# KiCad board sample013-sdi-mipi-video-converter.kicad_pcb (continued)
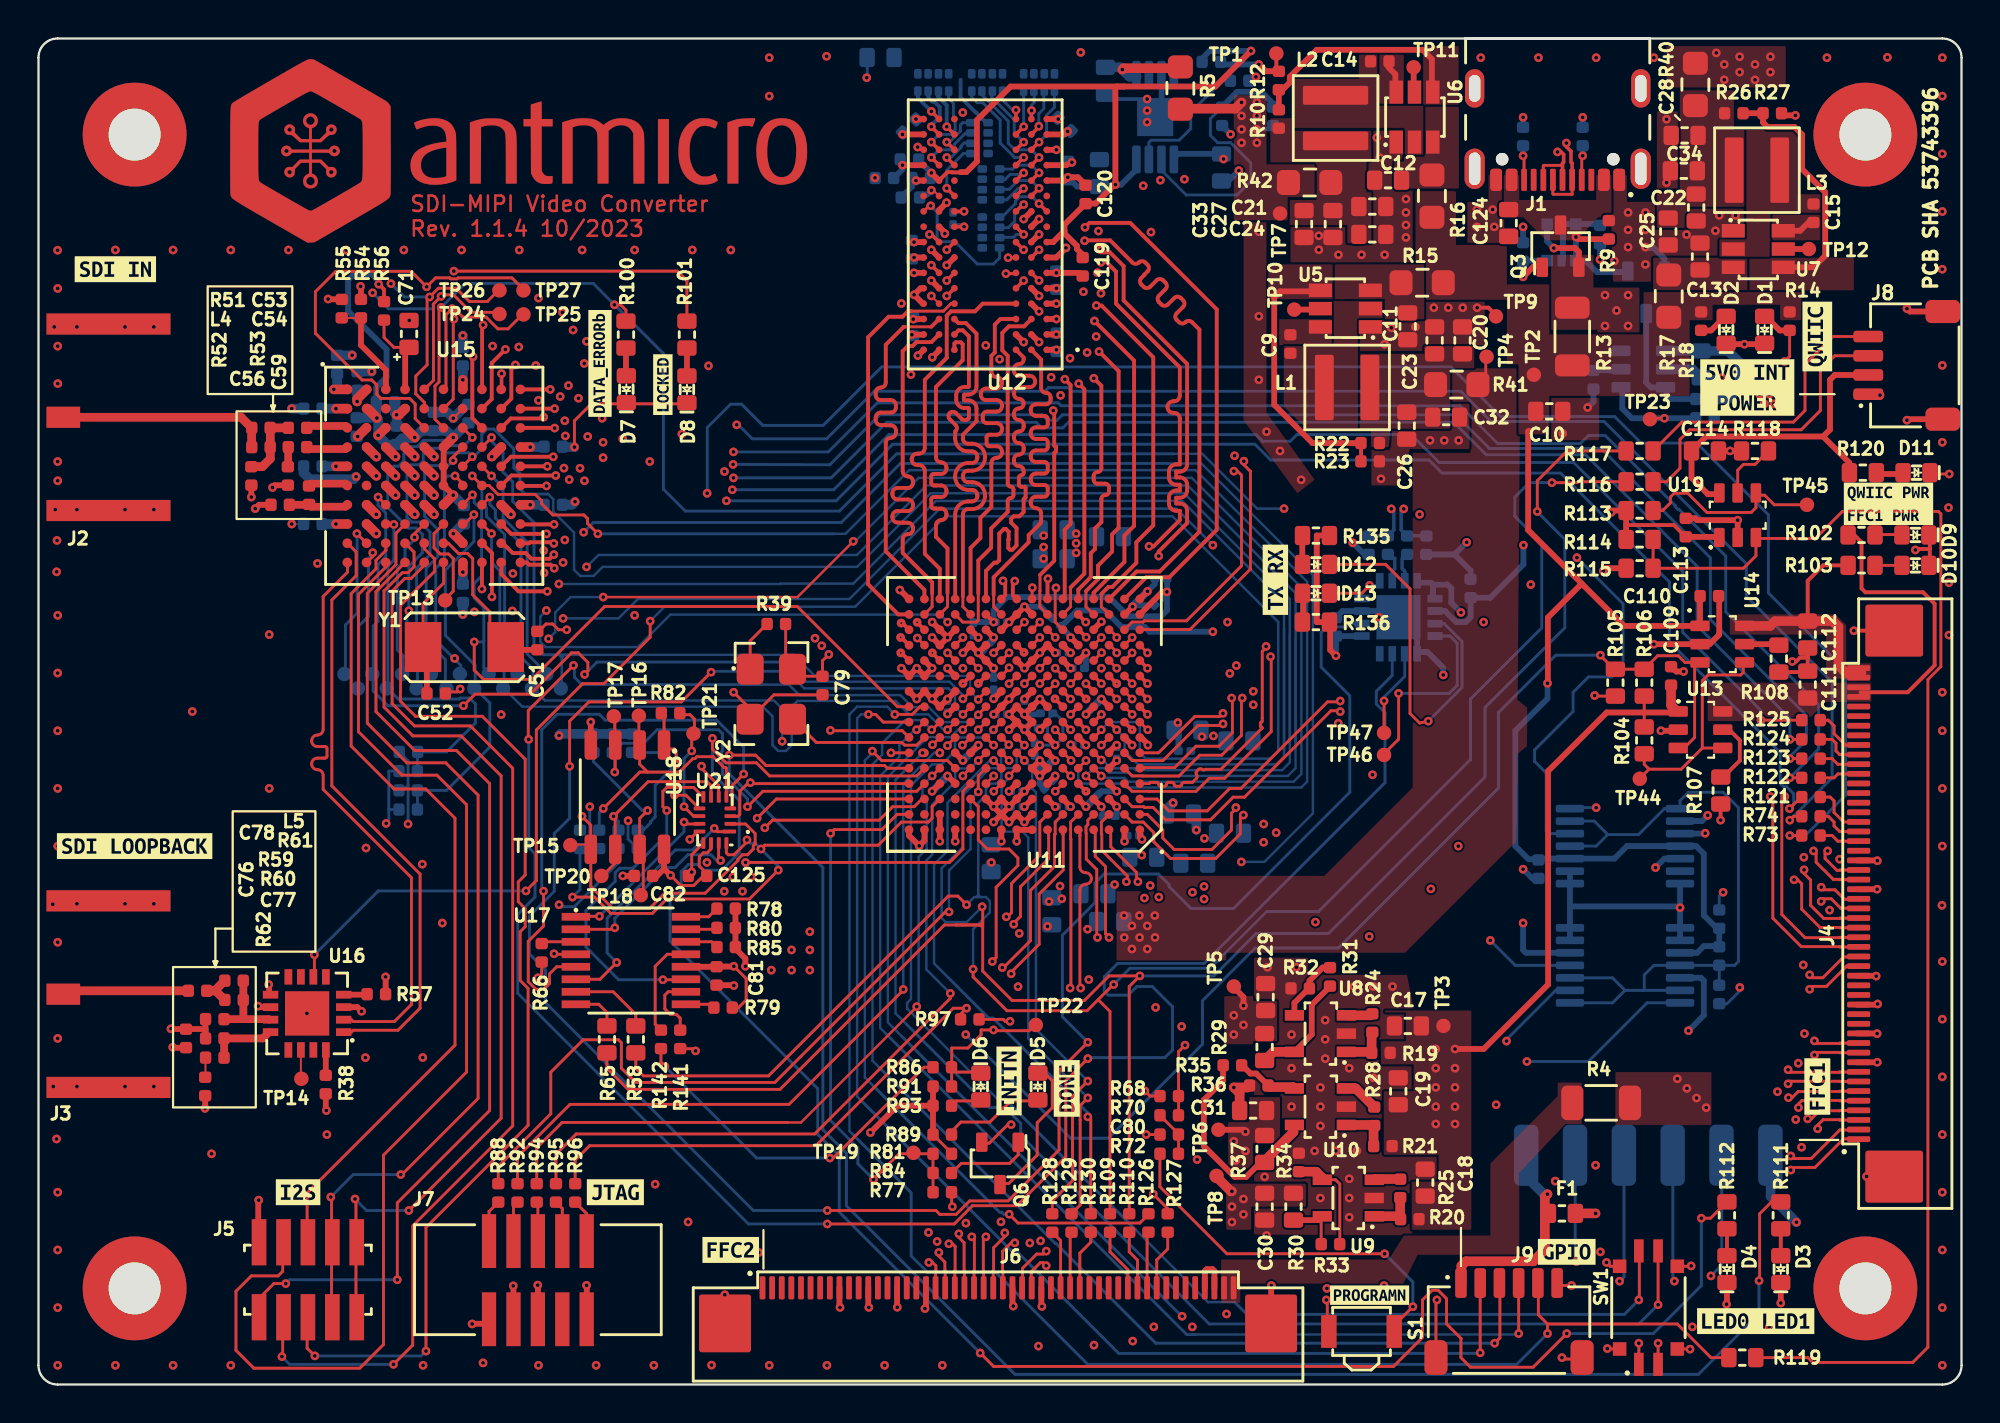
[diagram p0: board, top side]
## Routing (per net, layer and track width the routed paths; a pad name or vN(x,y) marks a point on that pad's centre or on a via; arc(x,y) is an arc through that point) (continued)
/SDI/SDI_STAT0: length 102.7
  Top w0.15: 20.07,51.75 20.54,52.22 20.54,56.19 v1(20.93,56.59) 21.02,56.67 21.58,56.67 22.49,55.76 24.08,55.76 ; U11.N2 v1(56.87,38.85)
  In2.Cu w0.125: 40.82,22.5 41.27,22.95 50.07,22.95 50.37,22.65 51.17,22.65 ; 55.37,26.05 56.07,26.75 57.03,26.75
  In2.Cu w0.13: v1(17.37,56.77) 17.07,56.47 17.07,53.15 16.77,52.85 16.77,52.45 16.97,52.25 16.97,36.75 28.58,25.14 31.88,25.14 34.88,22.15 40.47,22.15 40.82,22.5 ; v1(56.87,38.85) 60.52,38.85 60.96,38.41 60.96,35.73 61.18,35.51 61.18,34.21 61.82,33.57 61.82,27.74 60.83,26.75 57.03,26.75 ; 51.17,22.65 51.97,22.65 55.37,26.05
  Bottom w0.15: v1(20.93,56.59) 20.52,56.17 20.52,55.94 18.21,55.94 v1(17.37,56.77)
/SDI/SDI_STAT1: length 85.7
  Top w0.15: U11.M3 v1(56.07,37.25) ; 21.19,51.87 21.19,55.63 v1(21.51,55.95) 21.63,55.95 22.07,55.51 23.28,55.51 23.89,54.9 24.42,54.9 25.22,55.7
  In2.Cu w0.13: v1(56.07,37.25) 56.48,36.84 58.66,36.84 59.22,36.27 59.22,35.39 58.58,34.75 58.58,29.93 57.89,29.24 55.17,29.24 53.37,27.44 52.52,27.44 50.93,25.85 47.26,25.85 46.66,25.25 34.82,25.25 31.22,28.85 27.83,28.85 18.57,38.11 18.57,40.25 21.07,42.75 21.07,55.51 v1(21.51,55.95)
/SDI/SDI_STAT2: length 100.5
  Top w0.15: v1(56.87,38.05) U11.M2 ; 20.07,50.75 20.07,51.07 19.62,51.52 19.62,52.44 20.21,53.03 20.21,56.43 v1(20.34,56.56) 20.79,57.01 21.72,57.01 22.41,56.32 23.34,56.32 23.97,56.95
  In2.Cu w0.125: 50.97,23.05 50.57,23.05 50.07,23.55 40.87,23.55 40.37,23.05 ; 57.25,27.14 55.85,27.14 54.67,25.95
  In2.Cu w0.13: 40.37,23.05 34.57,23.05 31.55,26.07 28.35,26.07 17.37,37.05 17.37,42.05 18.07,42.75 18.07,56.99 v1(18.33,57.25) ; 54.67,25.95 52.95,24.23 52.33,24.23 51.15,23.05 50.97,23.05 ; v1(56.87,38.05) 57.33,38.51 60,38.51 60.47,38.04 60.47,34.35 60.1,33.98 60.1,33.53 61.05,32.58 61.05,28.14 60.04,27.14 57.25,27.14
  Bottom w0.15: v1(18.33,57.25) 19.02,56.56 v1(20.34,56.56)
/SDI/SDI_STAT3: length 107.6
  Top w0.15: v1(21.6,55.41) 21.57,55.38 21.57,51.25 21.07,50.75 ; v1(21.6,57.9) 33.22,57.9 33.72,57.4 R101.2 ; U11.N1 v1(57.67,38.05)
  In2.Cu w0.13: v1(21.6,55.41) 21.95,55.41 22.23,55.69 22.23,57.27 v1(21.6,57.9) 19.46,57.9 18.74,57.18 18.74,51.89 19.07,51.56 19.07,42.65 17.77,41.35 17.77,37.35 28.29,26.83 31.39,26.83 34.07,24.15 49.48,24.15 50.12,24.79 51.32,24.79 52.89,26.36 53.79,26.36 55.2,27.77 56.73,27.77 56.92,27.96 58.75,27.96 59.85,29.07 59.85,34.58 60.05,34.77 60.05,37.82 59.82,38.05 v1(57.67,38.05)
/SDI/SDI_STAT4: length 102.2
  Top w0.15: 25.22,56.95 24.62,57.55 21.82,57.55 21.77,57.5 21.43,57.5 21.38,57.55 20.65,57.55 v1(20.19,57.09) 19.38,57.89 15.46,57.89 14.4,56.83 14.4,54.67 16.83,52.24 17.33,52.24 17.59,51.98 17.59,51.5 17.81,51.28 19.3,51.28 19.59,50.99 19.59,50.23 20.07,49.75
  Top w0.182: v1(57.67,37.25) U11.M1
  In2.Cu w0.13: v1(57.67,37.25) 59.37,37.25 59.63,36.99 59.63,35.36 58.85,34.59 58.85,34.26 59.24,33.87 59.24,32.63 59.53,32.34 59.53,29.76 58.63,28.86 55.62,28.86 53.72,26.96 52.95,26.96 51.33,25.34 47.56,25.34 46.96,24.75 34.07,24.75 31.42,27.4 28.51,27.4 18.17,37.74 18.17,40.85 20.07,42.75 20.07,56.31 19.98,56.41 19.98,56.88 v1(20.19,57.09)
/SDI/SDI_STAT5: length 81.9
  Top w0.15: R100.2 30.55,55.87 30.27,56.15 v1(29.95,56.15) ; v1(20.94,56.01) 20.83,55.9 20.83,52.14 20.62,51.93 20.62,50.2 21.07,49.75 ; v1(55.27,33.25) U11.G3
  In2.Cu w0.125: v1(64.77,45.55) 64.77,45.25 58.77,39.25 56.67,39.25 56.47,39.05 56.47,37.85 56.27,37.65 55.87,37.65 55.67,37.45 U11.G3 v1(55.27,33.25)
  Bottom w0.125: v1(64.77,45.55) 63.37,45.55 60.52,48.4 59.02,48.4
  Bottom w0.15: 59.02,48.4 44.62,48.4 41.64,45.42 33.64,45.42 32.5,46.56 32.5,53.61 28.85,57.26 22.19,57.26 v1(20.94,56.01)
/SDI/SDIN_TDI: length 71.4
  Top w0.15: 23.07,47.74 v1(23.56,47.25)
  Top w0.182: U11.H6 v1(53.67,34.05)
  In4.Cu w0.15: v1(53.67,34.05) 53.87,34.05 54.27,34.45 54.67,34.45 54.87,34.65 54.87,35.05 55.07,35.25 55.47,35.25 55.67,35.05 55.67,31.45 55.47,31.25 42.39,31.25 37.48,36.16 37.48,49.44 36.59,50.33 33.7,50.33 33.01,49.64 33.01,46.85 31.66,45.51 26.8,45.51 25.05,47.25 v1(23.56,47.25)
  Bottom w0.15: 26.46,36.95 25.41,38 25.41,43.81 24.16,45.06 24.16,46.65 v1(23.56,47.25)
/SDI/SDO_EN/DIS: length 58.3
  Top w0.15: U11.G6 v1(52.87,34.05) ; U15.J2 v1(16.56,44.25)
  In2.Cu w0.125: v1(52.87,34.05) 53.27,34.45 53.87,34.45 54.07,34.65 54.07,36.85 48.47,36.85 48.43,36.89 47.83,36.89 47.67,37.05 47.67,39.45 47.47,39.65 47.27,39.65 v1(47.27,39.65)
  In4.Cu w0.13: v1(16.56,44.25) 16.56,43.14 17.62,42.08
  In4.Cu w0.15: 17.62,42.08 20.92,42.08 21.32,41.68 22.35,41.68 22.82,42.15 23.54,42.15 24.86,40.83 25.83,40.83 v1(26.41,40.25)
  Bottom w0.125: v1(26.41,40.25) 26.1,39.94 26.1,38.62 26.37,38.35 31.17,38.35 32.86,40.04 46.89,40.04 v1(47.27,39.65)
  Bottom w0.15: 15.96,36.95 15.96,39.5 16.57,40.11 16.57,44.24 v1(16.56,44.25)
/SDI/SDO_N: length 31.2
  Top w0.15: 16.07,42.75 16.07,42.25 14.8,40.98 14.8,34.08 arc(14.72,33.86) 14.51,33.78 arc(14.29,33.69) 14.21,33.48 14.21,33.48 arc(14.29,33.26) 14.51,33.18 14.8,33.18 14.8,33.18 14.9,33.18 arc(14.97,33.15) 15,33.08 15,32.67 arc(14.97,32.6) 14.9,32.58 14.51,32.58 arc(14.29,32.49) 14.21,32.28 14.21,32.27 arc(14.29,32.06) 14.51,31.98 arc(14.72,31.89) 14.8,31.68 14.8,30.95 19.39,26.36 19.39,19.76 18.51,18.88 16.37,18.88 16.27,18.98 15.94,18.98
/SDI/SDO_P: length 31.2
  Top w0.15: 16.07,43.75 16.52,43.3 16.52,42.06 15.25,40.8 15.25,31.13 19.84,26.54 19.84,19.58 18.69,18.43 16.37,18.43 16.27,18.33 15.94,18.33
/SDI/SDOUT_TDO: length 96.1
  Top w0.15: v1(55.27,32.48) 54.89,32.85 ; 22.07,47.76 v1(22.56,48.25)
  Bottom w0.125: 57.07,31.95 64.67,31.95 65.07,32.35 65.07,39.05 ; 26.5,46.31 26.77,46.04 26.77,45.39 27.85,44.31 27.85,42.37 28.17,42.05 28.87,42.05 29.34,42.52 42.56,42.52 46.39,46.35 59.57,46.35 65.07,40.85 65.07,40.35 ; 56.57,32.05 55.77,32.05
  Bottom w0.13: 57.07,31.95 56.97,32.05 56.67,32.05 ; v1(55.27,32.48) 55.34,32.48 55.77,32.05 56.67,32.05 ; 65.07,40.35 65.07,33.35 ; 56.67,32.05 56.57,32.05
  Bottom w0.15: 26.5,46.31 25.3,46.31 25.04,46.57 25.04,47.36 24.72,47.68 24.72,48.65 23.96,49.41 23.96,49.42 23.69,49.69 23.33,49.69 23.05,49.41 23.05,48.66 22.64,48.25 v1(22.56,48.25) 22.36,48.45 21.21,48.45 20.97,48.69 20.28,48.69 20.01,48.42 20.01,48.04 19.8,47.83 19.38,47.83 19.16,47.61 19.16,45.09 19.4,44.85 19.84,44.85 20.36,44.33 20.36,43.15 19.66,42.45 19.66,38.7 20.46,37.9 20.46,36.95
/SDI/STANDBY: length 73.3
  Top w0.15: v1(17.38,43.26) 17.38,43.06 17.07,42.75 ; 53.29,32.85 v1(53.69,32.45)
  In2.Cu w0.125: v1(53.69,32.45) 54.07,32.83 54.07,33.45 54.27,33.65 54.67,33.65 54.87,33.85 54.87,38.25 55.07,38.45 55.47,38.45 55.67,38.65 55.67,39.15 56.27,39.75 58.77,39.75 61.07,42.05 v1(61.07,43.65)
  In4.Cu w0.15: v1(17.38,43.26) 17.89,42.75 24.73,42.75 25.97,41.51 25.97,41.15 26.37,40.75 26.47,40.75 27.28,39.94 v1(27.28,39.84)
  Bottom w0.125: v1(61.07,43.65) 59.17,45.55 46.87,45.55 42.17,40.85 31.17,40.85 30.16,39.84 v1(27.28,39.84)
  Bottom w0.15: 16.66,36.2 16.66,39.45 17.16,39.95 17.16,42.95 17.38,43.17 v1(17.38,43.26)
/SDI/SW_EN: length 96.1
  Top w0.15: U11.D6 52.88,30.86 v1(52.88,30.85) ; 22.07,48.75 21.56,48.24 v1(21.56,48.05)
  In2.Cu w0.15: v1(21.56,48.05) 21.86,47.75 24.07,47.75 25.07,46.75 25.07,45.65 25.47,45.25 27.32,45.25 28.25,44.32 v1(28.35,44.32)
  In6.Cu w0.125: v1(52.88,30.85) 52.92,30.85 53.32,30.45 55.52,30.45 55.66,30.31 55.66,27.81 56.3,27.17 62.54,27.17 v1(62.55,27.18)
  Bottom w0.125: 58.72,47.9 60.47,47.9 66.27,42.1 66.27,29.7 63.75,27.18 v1(62.55,27.18)
  Bottom w0.15: 58.72,47.9 44.82,47.9 41.75,44.83 28.86,44.83 v1(28.35,44.32) ; v1(21.56,48.05) 21.3,47.79 20.33,47.79 20.08,47.54 20.08,45.15 20.76,44.47 20.76,43.05 20.16,42.45 20.16,38.7 21.16,37.7 21.16,36.2
/SDI/TIM_861: length 84
  Top w0.15: U15.H5 19.55,44.24 v1(19.55,44.06)
  Top w0.182: v1(56.07,34.05) U11.H3
  In4.Cu w0.15: v1(27.06,41.63) 26.64,41.63 26.63,41.65 26.27,41.65 25.21,42.71 25.21,43.16 24.95,43.42 20.19,43.42 v1(19.55,44.06)
  Bottom w0.125: 64.77,39.35 64.77,32.65 64.37,32.25 57.17,32.25 56.48,32.94 56.48,33.64 v1(56.07,34.05) ; 64.77,39.85 64.77,40.65 59.47,45.95 46.67,45.95 42.37,41.65 38.57,41.65 38.55,41.63 v1(27.06,41.63)
  Bottom w0.13: 64.77,39.85 64.77,32.95
  Bottom w0.15: v1(19.55,44.06) 19.55,43.94 19.06,43.45 19.06,42.85 18.66,42.45 18.66,38.2 18.96,37.9 18.96,36.95
/SDI/XTAL1: length 7.1
  Top w0.15: 21.07,42.75 21.07,41.68 20,40.61 Y1.1
  Top w0.3: 20.19,36.02 20.19,38.3
/SDI/XTAL2: length 7.2
  Top w0.15: 21.07,43.75 21.31,43.75 21.84,43.22 22.31,43.22 22.58,42.95 22.58,41.07 23.47,40.18 23.47,39.32
  Top w0.3: 25.95,38.21 24.58,38.21
/SDI/~{CS_TMS}: length 84
  Top w0.125: v1(29.37,40.95) 39.47,40.95 v1(42.37,43.85)
  Top w0.15: v1(55.26,31.65) 55.26,31.66 U11.E4 ; 22.06,46.85 v1(21.66,47.25)
  In2.Cu w0.15: v1(21.64,37.76) 25.5,37.76 v1(26.53,38.78)
  Bottom w0.125: v1(55.26,31.65) 55.36,31.55 56.47,31.55 56.67,31.35 65.27,31.35 65.67,31.75 65.67,41.45 59.97,47.15 45.77,47.15 42.37,43.75 v1(42.37,43.85) ; v1(29.37,40.95) 27.67,40.95 26.87,40.15 26.87,39.13 v1(26.53,38.78)
  Bottom w0.15: 21.96,36.95 21.96,37.4 20.66,38.7 20.66,42.45 21.11,42.9 21.11,47.1 21.26,47.25 v1(21.66,47.25)
/SDI/~{RC_BYP}: length 46
  Top w0.15: v1(48.07,35.66) 48.08,35.66 U11.K12 ; U15.G3 v1(17.66,46.15) ; v1(22.1,35.3) 22.7,35.9 25.57,35.9 27.72,38.05 28.07,38.05 28.57,37.55 28.57,37.1 v1(28.4,36.93)
  Bottom w0.125: 38.89,37.57 39.91,36.55 47.37,36.55 48.07,35.85 v1(48.07,35.66)
  Bottom w0.15: v1(28.4,36.93) 29.04,37.57 38.89,37.57 ; v1(17.66,46.15) 17.66,45.73 18.06,45.33 18.06,43.05 17.66,42.65 17.66,39.7 17.41,39.45 17.41,36.95 ; 17.4,36.94 17.4,36.07 18.17,35.3 v1(22.1,35.3)
/SDI/~{SDO_DISABLE}: length 86.3
  Top w0.15: v1(55.26,34.05) 55.26,34.02 54.89,33.65 ; v1(14.35,22.35) 14.35,21.33 ; v1(25.35,25.67) 25.89,26.21 25.89,34.04 28.3,36.45 29.4,36.45 31.81,38.86 v1(31.81,39.7)
  Bottom w0.125: v1(55.26,34.05) 55.66,34.45 57.07,34.45 57.27,34.25 57.27,32.85 57.57,32.55 64.07,32.55 64.47,32.95 64.47,39.65 58.97,45.15 47.17,45.15 42.47,40.45 32.56,40.45 v1(31.81,39.7)
  Bottom w0.15: v1(25.35,25.67) 17.67,25.67 v1(14.35,22.35)
/SDI/~{SMPTE_BYPASS}: length 39.2
  Top w0.15: U11.J16 44.67,35.25 39.46,40.46 29.44,40.46 25.65,36.67 23.14,36.67 22.66,37.15 v1(22.66,38.62) ; 22.07,45.77 v1(22.57,46.27)
  Bottom w0.15: v1(22.66,38.62) 23.1,38.62 23.16,38.68 ; 23.46,36.95 23.16,37.25 23.16,38.68 ; 23.16,38.68 23.16,40.4 22.66,40.9 22.66,41.66 23.04,42.04 23.04,45.49 22.66,45.87 22.66,46.18 v1(22.57,46.27)
AUDIO_ACLK: length 51
  Top w0.15: 16.51,3.42 16.51,9.6 v1(16.46,9.65) ; 19.07,43.75 19.53,43.29 19.53,42.53 19.22,42.22 18.92,42.22 17.97,41.27 17.97,35.23 19.47,33.73 21.98,33.73 24.06,31.65 24.06,13.85 v1(19.26,9.05)
  Bottom w0.15: v1(16.46,9.65) 17.06,9.05 v1(19.26,9.05)
AUDIO_MCLK: length 51.3
  Top w0.15: 19.07,42.75 17.55,41.23 17.55,34.99 19.57,32.97 21.74,32.97 23.46,31.25 23.46,14.25 18.66,9.45 v1(18.66,5.45) ; v1(12.86,5.25) 12.24,5.25 11.43,4.44
  Bottom w0.15: v1(12.86,5.25) 13.06,5.45 v1(18.66,5.45)
AUDIO_OUT_CH1_2: length 43.4
  Top w0.15: 18.07,43.75 18.07,43.38 17.55,42.86 17.55,42.42 16.26,41.13 16.26,33.2 18.49,30.97 20.14,30.97 21.66,29.45 21.66,17.65 13.97,9.96 13.97,7.48
AUDIO_OUT_CH3_4: length 62.5
  Top w0.15: 12.7,7.48 12.7,5.89 12.46,5.65 11.07,5.65 10.27,4.85 10.27,1.78 11.2,0.85 16.71,0.85 17.94,2.08 17.94,11.93 22.26,16.25 22.26,30.15 20.72,31.69 18.9,31.69 16.64,33.95 16.64,41.09 18.07,42.52 18.07,42.75
AUDIO_OUT_CH5_6: length 58.4
  Top w0.15: 13.97,3.42 13.97,1.89 v1(14.37,1.49) ; 20.07,43.75 20.07,43.46 20.6,42.93 20.6,42.29 18.83,40.52 18.83,35.99 18.82,35.98 18.82,35.53 19.61,34.75 23.08,34.75 25.31,32.52 25.31,26.5 24.95,26.14 24.95,25.11 25.31,24.75 25.31,23.81 25.05,23.55 25.05,21.01 25.46,20.6 25.46,13.48 20.15,8.17 v1(20.15,1.74)
  Bottom w0.15: v1(20.15,1.74) 19.9,1.49 v1(14.37,1.49)
AUDIO_OUT_CH7_8: length 57.3
  Top w0.15: 12.7,3.42 12.7,1.49 v1(12.66,1.45) ; v1(18.46,1.05) 19.46,2.05 19.46,8.25 24.66,13.45 24.66,32.05 22.46,34.25 19.55,34.25 18.39,35.41 18.39,41.26 19.05,41.92 19.38,41.92 20.07,42.61
  Bottom w0.15: v1(18.46,1.05) 13.06,1.05 v1(12.66,1.45)
AUDIO_WCLK: length 50.4
  Top w0.15: 15.24,3.42 15.24,9.71 v1(15.2,9.75) ; 19.07,44.75 18.59,44.27 18.59,42.64 17.1,41.15 17.1,34.39 19.16,32.33 21.18,32.33 22.86,30.65 22.86,14.88 18.9,10.92 v1(18.84,10.92)
  Bottom w0.15: v1(15.2,9.75) 16.37,10.92 v1(18.84,10.92)
DIP0: length 64.1
  Top w0.15: v1(84.22,4.15) SW1.3
  Bottom w0.125: 45.15,18.72 44.57,19.3 44.57,31.45 v1(45.97,32.85)
  Bottom w0.15: 45.15,18.72 49.47,14.4 50.26,14.4 51.08,13.58 51.08,12.95 60.88,3.15 83.22,3.15 v1(84.22,4.15)
DIP1: length 65.4
  Top w0.15: 83.25,6.83 83.25,4.43 v1(83.22,4.4) ; 50.06,34.45 v1(49.66,34.05)
  Bottom w0.125: 57.06,8.04 60.81,4.29 62.21,4.29 ; v1(49.66,34.05) 49.66,34.04 49.27,33.65 47.87,33.65 47.66,33.44 47.66,32.94 46.97,32.25 46.47,32.25 45.37,31.15 45.37,20.05 45.17,19.85 45.17,19.55 49.88,14.84 50.26,14.84
  Bottom w0.15: 57.06,8.04 50.26,14.84 ; v1(83.22,4.4) 82.47,3.65 62.84,3.65 62.21,4.29
FCC2_SCL2: length 48.2
  Top w0.1: 48.46,34.45 v1(48.06,34.05)
  Top w0.15: 58.72,8.89 58.72,9.15 v1(57.97,9.9)
  In2.Cu w0.15: v1(57.97,9.9) 57.97,5.05 v1(59.47,3.55)
  Bottom w0.125: v1(48.06,34.05) 47.82,34.05 47.43,33.66 46.23,33.66 44.17,31.6 44.17,18.83 44.9,18.1
  Bottom w0.15: v1(59.47,3.55) 59.45,3.55 44.9,18.1
GPIO0: length 78.6
  Top w0.15: U11.H16 43.93,34.45 43.53,34.85 v1(43.16,34.85) ; 74.97,5.18 v1(74.97,1.65)
  In2.Cu w0.15: v1(74.97,1.65) 74.97,4.15 77.22,6.4 v1(79.97,6.4)
  Bottom w0.125: 42.78,14.77 42.57,14.98 42.57,34.65 42.77,34.85 v1(43.16,34.85)
  Bottom w0.15: v1(74.97,1.65) 74.94,1.62 56.17,1.62 50.82,6.97 50.58,6.97 42.78,14.77 ; 79.91,12.43 79.91,6.46 v1(79.97,6.4)
GPIO1: length 78.2
  Top w0.15: v1(46.45,34.05) 46.47,34.05 U11.H14 ; 76,5.2 76,2.43 v1(75.72,2.15)
  In2.Cu w0.15: v1(82.22,5.38) 82.03,5.57 77.64,5.57 75.72,3.65 v1(75.72,2.15)
  Bottom w0.125: v1(46.45,34.05) 45.95,34.55 45.07,34.55 43.87,33.35 43.87,32.75 43.37,32.25 43.37,16.84 43.76,16.45
  Bottom w0.15: v1(82.22,5.38) 82.45,5.61 82.45,12.43 ; 43.76,16.45 52.87,7.34 52.91,7.34 58.1,2.15 v1(75.72,2.15)
GPIO2: length 76.2
  Top w0.15: 46.06,34.45 v1(45.66,34.05) ; 76.97,5.18 v1(76.97,2.65)
  In2.Cu w0.15: v1(85.07,5.38) 84.79,5.65 83.47,5.65 82.47,4.65 78.22,4.65 76.97,3.4 v1(76.97,2.65)
  Bottom w0.125: 44.1,18.21 43.77,18.54 43.77,31.65 44.77,32.65 44.77,33.25 45.57,34.05 v1(45.66,34.05) ; 60.17,2.6 76.92,2.6 v1(76.97,2.65)
  Bottom w0.15: 84.99,12.43 84.99,5.45 v1(85.07,5.38) ; 44.1,18.21 59.71,2.6 60.17,2.6
GPIO3: length 99.8
  Top w0.15: 78.47,3.15 85.22,3.15 86.97,1.4 R119.2 ; 78.47,3.15 78,3.62 78,5.2 ; 78.47,3.15 v1(78.47,2.65) ; U11.J15 45.84,35.25 45.44,34.85 v1(44.53,34.85)
  In2.Cu w0.15: v1(78.47,2.65) 79.47,3.65 85.22,3.65 86.97,5.4 v1(86.97,5.65)
  Bottom w0.125: 42.34,13.02 42.17,13.18 42.17,34.85 42.57,35.25 44.13,35.25 v1(44.53,34.85)
  Bottom w0.15: 87.53,12.43 87.53,6.21 v1(86.97,5.65) ; v1(78.47,2.65) 76.87,1.05 54.56,1.05 49.78,5.83 46.24,5.83 45.38,6.69 45.38,9.97 42.34,13.02
JTAG_EN: length 39.1
  Top w0.15: v1(49.68,30.85) 49.68,30.86 U11.D10 ; 47.94,18.99 47.94,19.26 v1(48.26,19.57) 47.57,19.57 40.42,12.42 28.66,12.42 27.91,11.67 27.91,10.45
  In6.Cu w0.125: v1(49.68,30.85) 48.87,30.04 48.87,27.45 46.87,25.45 46.87,21.75 48.26,20.36 v1(48.26,19.57)
LED0: length 104.9
  Top w0.147: 38.02,31.65 45.67,31.65
  Top w0.15: 45.67,31.65 U11.E15 ; v1(79.47,2.65) 77.72,0.9 74.47,0.9 73.97,1.4 73.97,2.4 73.22,3.15 73.22,4.47 72.79,4.9 72.47,4.9 71.97,4.4 71.97,2.45 70.46,0.94 49.67,0.94 v1(48.97,1.64) ; 38.02,31.65 37.34,32.33 35.76,32.33 35.05,33.04 v1(35.05,33.61) ; 87.7,9.4 86.95,8.65 v1(86.47,8.65)
  Bottom w0.15: v1(48.97,1.64) 41.64,8.97 41.64,11.89 40.52,13.01 40.52,15.39 32.84,23.07 32.84,25.13 33.42,25.71 33.42,26.67 33.8,27.05 34.29,27.05 34.59,26.75 35.54,26.75 36.44,27.66 36.44,30.38 35.05,31.77 v1(35.05,33.61) ; v1(86.47,8.65) 86.47,5.15 83.97,2.65 v1(79.47,2.65)
LED1: length 94.5
  Top w0.15: v1(35.92,32.73) 37.29,32.73 37.83,32.19 44,32.19 44.14,32.05 45.17,32.05 45.22,32 ; v1(89.47,5.4) 89.5,5.43 89.5,8.88 90.12,9.5 R111.2
  Bottom w0.15: v1(89.47,5.4) 89.47,3.68 86.32,0.53 50.78,0.53 42.01,9.3 42.01,12.03 40.79,13.25 40.79,26.88 35.92,31.75 v1(35.92,32.73)
RXD: length 115.7
  Top w0.15: v1(54.57,17.8) 53.07,16.3 53.07,12.2 50.42,9.55 48.42,9.55 47.72,8.85 46.87,8.85 46.67,9.05 v1(41.02,9.05) ; v1(34.98,37.05) 33.43,35.5 28.62,35.5 27.62,34.5 v1(27.62,32.15) ; v1(48.07,34.85) U11.J12
  Bottom w0.125: v1(48.07,34.85) 47.66,35.26 47.66,35.86 47.32,36.2 39.82,36.2 38.93,37.09
  Bottom w0.15: v1(41.02,9.05) 37.17,9.05 26.37,19.85 26.37,21.55 25.53,22.39 25.53,24.36 26.82,25.65 26.82,28.65 27.62,29.45 v1(27.62,32.15) ; 68.92,39.58 68.19,39.58 68.02,39.4 66.99,39.4 66.7,39.11 66.7,37.31 68.19,35.82 68.19,30.8 62.14,24.75 59.94,24.75 58.78,25.9 58.78,26 58.24,26.55 55.41,26.55 54.94,26.08 54.94,25.06 53.25,23.37 53.25,19.12 v1(54.57,17.8) ; v1(34.98,37.05) 35.02,37.09 38.93,37.09
SCL: length 111.5
  Top w0.13: 48.11,23.9 49.08,23.9 48.02,23.9
  Top w0.15: 49.1,23.92 49.08,23.9 47.72,23.9 ; 49.1,23.92 49.1,23.78 ; 49.1,23.92 49.1,24.12 ; 50.08,33.65 v1(50.46,33.27) ; 49.1,23.78 49.1,21.5 50.63,19.97 54.39,19.97 55.67,21.25 v1(57.27,21.25) 56.72,20.7 56.72,8.89 ; 49.1,23.78 48.98,23.9 ; R117.1 79.49,48.55 77.94,47 v1(77.94,45.4) ; v1(49.07,24.85) 49.1,24.82 49.1,24.12 ; 47.72,23.9 47.11,23.9 38.56,15.35 30.66,15.35 29.56,16.45 R65.2 ; 47.72,23.9 48.11,23.9 ; 48.98,23.9 49.1,24.02 49.1,24.12 ; 48.98,23.9 48.92,23.9
  Bottom w0.125: v1(49.07,24.85) 48.27,24.05 47.17,24.05 46.96,24.26 46.96,26.84 48.07,27.95 48.07,30.65 49.47,32.05 49.82,32.05 50.06,32.29 50.06,32.87 v1(50.46,33.27)
  Bottom w0.15: v1(77.94,45.4) 77.94,45.38 79.37,43.95 79.37,39.35 75.22,35.2 75.22,31.6 67.07,23.45 63.32,23.45 61.12,21.25 v1(57.27,21.25)
SDA: length 103.5
  Top w0.15: v1(48.26,24.95) 47.81,25.4 47.31,25.4 37.96,16.05 31.46,16.05 31.06,16.45 R58.2 ; 55.72,8.89 55.72,19.4 55.1,20.02 ; v1(51.27,33.25) 51.26,33.25 50.87,33.64 ; 55.1,20.02 54.53,19.44 50.36,19.44 48.6,21.2 v1(48.6,21.6) ; 55.1,20.02 55.89,20.8 v1(55.91,20.8) ; R116.1 80.06,46.95 80.01,46.9 v1(78.7,46.9)
  Bottom w0.125: v1(48.6,21.6) 48.6,23.68 49.47,24.55 49.47,25.15 49.27,25.35 49.07,25.35 ; v1(48.26,24.95) 48.66,25.35 48.77,25.35 ; 49.07,25.35 48.97,25.35 48.87,25.45 ; 49.07,25.35 48.87,25.35 ; 48.87,25.45 48.87,30.25 49.27,30.65 49.27,30.99 49.53,31.25 49.82,31.25 50.07,31.5 50.07,31.85 50.27,32.05 50.67,32.05 50.87,32.25 50.87,32.85 v1(51.27,33.25) ; 48.87,25.45 48.87,25.35 ; 48.87,25.45 48.77,25.35 ; 48.87,25.35 48.77,25.35
  Bottom w0.15: v1(55.91,20.8) 56.76,21.65 60.92,21.65 63.87,24.6 66.57,24.6 74.47,32.5 74.47,35.65 78.17,39.35 78.17,43.75 76.77,45.15 76.77,46.15 77.52,46.9 v1(78.7,46.9)
TCK: length 38.3
  Top w0.15: v1(44.97,20.55) 44.97,20.51 39.03,14.57 27.64,14.57 24.91,11.84 24.91,10.45
  Bottom w0.125: v1(46.87,32.85) 46.57,32.85 44.97,31.25 v1(44.97,20.55)
TDI: length 40.3
  Top w0.15: v1(48.87,32.45) U11.F11 ; 26.91,10.45 26.91,11.98 27.96,13.03 40.36,13.03 47.42,20.09 v1(47.42,20.34)
  Bottom w0.125: v1(48.87,32.45) 48.46,32.04 47.86,32.04 47.67,31.85 47.67,31.35 46.47,30.15 46.47,27.55 46.17,27.25 46.17,21.59 v1(47.42,20.34)
TDO: length 37.7
  Top w0.125: v1(45.67,19.65) 39.65,13.63 38.96,13.63
  Top w0.15: 38.96,13.63 27.23,13.63 25.91,12.31 25.91,10.45 ; U11.E14 v1(46.47,31.65)
  Bottom w0.125: v1(45.67,19.65) 45.77,19.75 45.77,27.44 46.19,27.85 46.19,30.43 45.97,30.65 45.97,31.15 v1(46.47,31.65)
TMS: length 42
  Top w0.15: U11.E11 48.87,31.65 v1(48.87,30.83) ; v1(47.35,24.58) 47.16,24.58 38.29,15.71 31.05,15.71 30.31,16.45 30.31,17.78 30.16,17.93 28.33,17.93 26.64,16.24 26.64,14.08 23.91,11.35 23.91,10.45
  Bottom w0.125: v1(47.35,24.58) 47.35,26.73 48.47,27.85 48.47,30.43 v1(48.87,30.83)
TXD: length 120.3
  Top w0.15: v1(27.82,37.4) 25.47,35.05 25.47,33.57 v1(25.49,33.55) ; v1(41.02,8.35) 47.62,8.35 48.57,9.3 50.87,9.3 53.42,11.85 53.42,15.8 v1(54.57,16.95) ; v1(48.87,34.83) 48.87,34.85 U11.J11
  Bottom w0.125: 37.64,36.4 39.02,36.4 39.57,35.85 44.82,35.85 45.45,35.23 46.29,35.23 47.07,34.45 48.49,34.45 v1(48.87,34.83)
  Bottom w0.15: v1(25.49,33.55) 25.49,27.93 25.82,27.6 25.82,25.35 24.92,24.45 24.92,20.35 36.92,8.35 v1(41.02,8.35) ; 70.4,38.1 70.4,36.88 69.57,36.05 69.57,35.38 70.02,34.93 70.02,31.3 60.62,21.9 56.12,21.9 55.42,21.2 55.42,20.45 55.62,20.25 56.67,20.25 57.12,20.7 57.92,20.7 58.97,19.65 58.97,17.4 58.57,17 54.62,17 v1(54.57,16.95) ; v1(27.82,37.4) 27.87,37.35 27.87,36.78 28.25,36.4 37.64,36.4
USB_POWER_IN: length 30.9
  Top w0.3: 81.66,59.57 80.06,59.57 v1(79.95,59.68)
  In2.Cu w0.3: v1(77.22,43.65) 77.22,55.15 79.97,57.9 79.97,59.66 v1(79.95,59.68)
  Bottom w0.3: 82.65,57.85 81.05,57.85 80.45,58.45 79.95,58.45 v1(79.95,59.68) ; 72.52,40.23 73.15,40.23 73.72,39.65 74.22,39.65 74.47,39.9 74.47,40.92 75.48,40.92 77.22,42.65 v1(77.22,43.65)
Vref: length 77.8
  Top w0.2: 47.5,63.05 47.27,63.05 46.83,62.61 ; 47.5,63.04 47.94,63.04 47.95,63.05 ; 49.28,40.05 49.67,39.66 v1(49.67,39.65)
  Top w0.3: v1(63.05,69.35) 61.2,67.5 56.45,67.5 ; U11.R1 58.44,41.22 v1(58.68,41.22) ; 56.45,67.5 56.05,67.5 56,67.45 56,62.45 54.97,61.42 54.45,61.42 53.35,60.32 53.35,60 ; 56.45,67.5 50.55,67.5 48.8,65.75 48.8,63.6 48.25,63.05 47.95,63.05 ; 46.83,62.61 v1(46.43,63.01) ; 53.35,60 53.35,59.86 54,59.21 54,59.05 54.3,58.75 ; 53.35,60 52.76,59.41 U12.H1